# KiCad board ZX-Spectrum-Pentagon.kicad_pcb (continued)
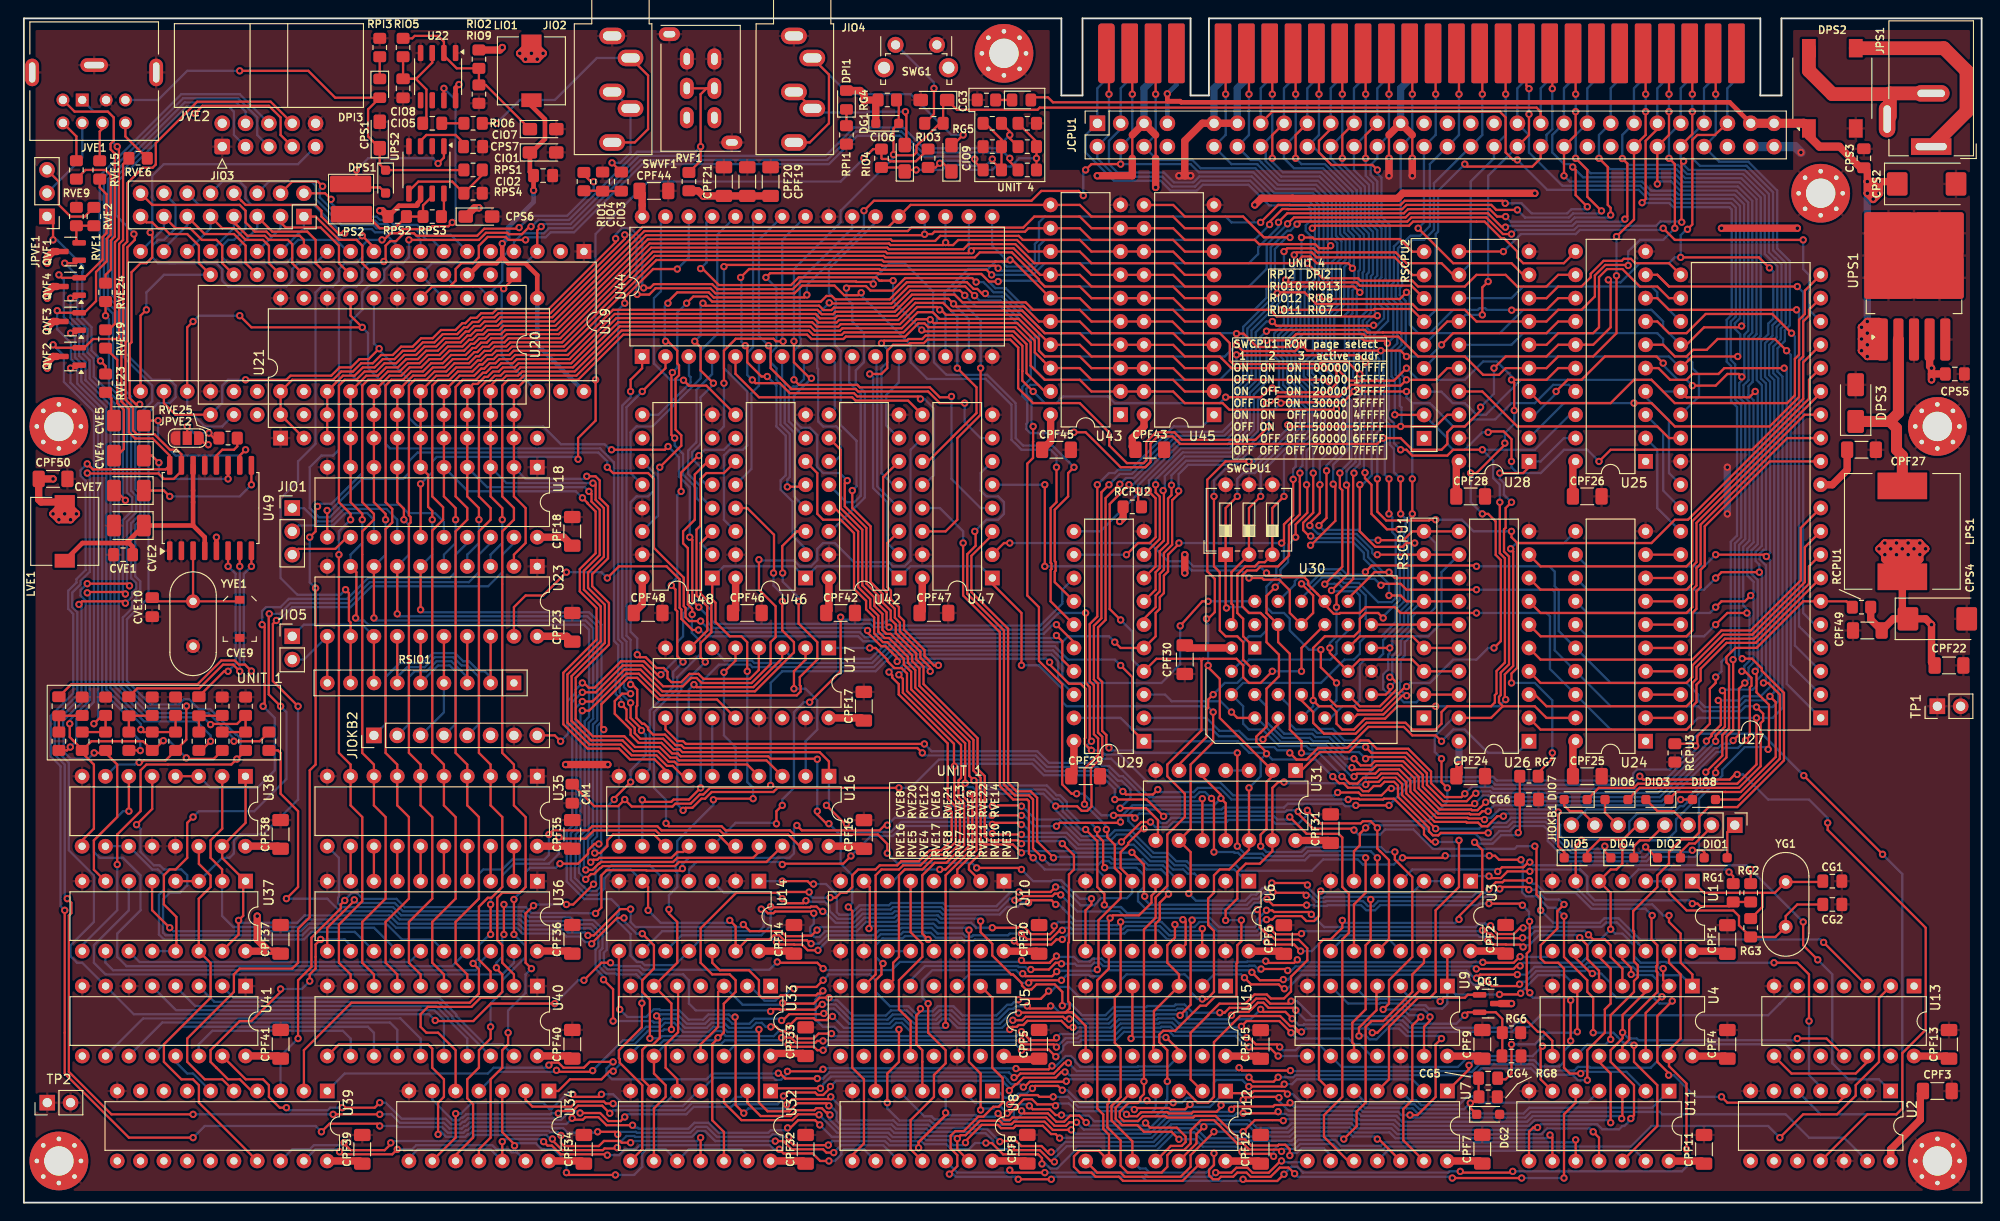
[diagram p0: board, top side]
## Routing (per net, layer and track width the routed paths; a pad name or vN(x,y) marks a point on that pad's centre or on a via; arc(x,y) is an arc through that point) (continued)
/InputOutput/TapeOut: length 11.4
  Top w0.25: v1(64.02,113.26) CIO3.2
  Bottom w0.25: v1(64.02,113.26) 64.9,113.26 66.03,114.4 66.03,119.18 64.24,120.98 JIO2.RN
/InputOutput/TYPEOUTTTL: length 80.4
  Top w0.25: 60.71,112.22 61.72,111.21 v1(62.02,111.21) ; v1(39.18,102.52) 39.37,102.71 39.37,104.23 39.87,104.73 40.51,104.73 41.37,105.59 42.45,105.59 42.73,105.32 49.34,105.32 50.12,106.09 53.78,106.09 v1(53.9,106.21)
  Bottom w0.25: v1(53.9,106.21) 55.18,107.49 59.13,107.49 62.02,110.38 v1(62.02,111.21) ; U18.16 45.72,74.15 44.75,75.11 41.82,75.11 40.92,76.01 34.65,76.01 33.28,74.65 32.12,74.65 31.12,75.66 31.12,80.1 32.38,81.38 33.66,81.38 34.29,82.01 34.29,99.16 34.92,99.79 36.2,99.79 36.83,100.42 36.83,101.69 37.46,102.33 38.99,102.33 v1(39.18,102.52)
/MD0: length 159.8
  Top w0.25: U45.2 126.37,88.35 125.09,89.63 116.21,89.63 114.93,90.91 111.75,90.91 ; 111.75,90.9 110.94,91.72 110.93,91.72 110.04,92.62 110.04,93.88 108.11,95.81 99.02,95.81 v1(98.65,96.18) 98.6,96.23 97.17,96.23 95.73,94.79 89.28,94.79 89.02,94.52 85.91,94.52 85.44,95 65.06,95 60.14,90.08 54.41,90.08 53.96,89.63 52.71,89.63 52.07,88.99 52.07,76.93 53.34,75.66 53.34,74.39 52.07,73.12 52.07,48.99 53.34,47.72 U35.2 53.34,43.27 54.61,42 54.61,34.38 53.98,33.75 52.07,33.75 51.52,33.2 51.52,28.58 52.07,28.03 52.07,26.13 53.34,24.86 53.34,23.59 U40.2
  Bottom w0.25: v1(98.65,96.18) 98.45,95.99 98.45,92.9 97.81,92.25
/MD1: length 161.3
  Top w0.25: 111.76,93.44 114.94,93.44 116.21,92.17 125.09,92.17 126.37,90.9 129.54,90.9 ; U40.3 50.8,23.59 50.8,25.18 49.53,26.45 49.53,32.24 50.5,33.2 50.89,33.2 52.07,34.38 52.07,42 50.8,43.27 U35.3 50.8,47.72 49.53,48.99 49.53,73.12 50.8,74.39 50.8,75.66 49.53,76.93 49.53,88.69 50.33,89.49 50.66,89.49 51.25,90.08 51.88,90.08 52.33,90.53 53.59,90.53 54.04,90.98 59.77,90.98 64.69,95.9 85.81,95.9 86.29,95.42 88.65,95.42 88.91,95.69 95.36,95.69 97.23,97.56 99.39,97.56 v1(99.69,97.25) 99.82,97.25 100.36,96.71 108.49,96.71 111.75,93.44
  Bottom w0.25: 100.31,92.16 100.31,96.76 99.82,97.25 v1(99.69,97.25)
/MD2: length 164.4
  Top w0.25: U40.4 48.26,24.85 46.99,26.13 46.99,30.57 49.53,33.11 49.53,42 48.26,43.27 U35.4 48.26,47.72 46.99,48.99 46.99,73.12 48.26,74.39 48.26,75.66 46.99,76.93 46.99,88.85 47.77,89.63 49.2,89.63 49.96,90.39 50.29,90.39 50.88,90.98 51.51,90.98 51.96,91.43 53.22,91.43 53.67,91.88 59.39,91.88 64.31,96.8 86.18,96.8 86.66,96.32 88.27,96.32 88.54,96.59 94.99,96.59 96.85,98.46 100.64,98.46 v1(101.19,97.9) 101.48,97.61 108.86,97.61 110.49,95.98 111.75,95.98 ; 129.54,93.44 126.37,93.44 125.09,94.71 116.21,94.71 114.94,95.98 111.76,95.98
  Bottom w0.25: U44.15 102.85,96.24 v1(101.19,97.9)
/MD3: length 168.4
  Top w0.25: 129.54,95.98 126.36,95.98 125.09,97.25 116.21,97.25 114.94,98.52 111.77,98.52 ; U40.5 45.73,24.85 44.45,26.13 44.45,30.57 46.99,33.11 46.99,42 45.72,43.27 U35.5 45.72,47.72 44.45,48.99 44.45,73.21 45.63,74.39 45.63,75.75 44.45,76.93 44.45,88.99 45.09,89.63 46.34,89.63 47.24,90.53 48.82,90.53 49.59,91.29 49.92,91.29 50.5,91.88 51.14,91.88 51.59,92.33 52.85,92.33 53.32,92.8 58.96,92.8 68.84,102.68 93.42,102.68 93.59,102.51 105.74,102.51 105.74,102.51 107.17,102.51 v1(107.34,102.68) 107.59,102.68 111.75,98.52
  Bottom w0.25: v1(107.34,102.68) 106.96,102.68 105.4,104.25 U44.17
/MD4: length 168.2
  Top w0.25: 43.18,23.59 43.18,24.86 41.91,26.13 41.91,30.57 44.45,33.11 44.45,42 43.18,43.27 U35.6 43.18,47.72 41.91,48.99 41.91,73.91 42.09,74.09 42.09,74.69 41.91,74.87 41.91,88.99 42.55,89.64 43.81,89.64 44.7,90.53 45.97,90.53 46.87,91.43 48.45,91.43 49.22,92.19 49.55,92.19 50.13,92.78 50.76,92.78 51.24,93.25 52.5,93.25 52.95,93.7 58.59,93.7 68.47,103.58 93.79,103.58 93.96,103.41 102.85,103.41 v1(103.12,103.68) 103.4,103.96 107.73,103.96 110.63,101.06 111.75,101.06 ; 129.53,98.52 126.36,98.52 125.09,99.79 116.21,99.79 114.94,101.06 111.76,101.06
  Bottom w0.25: U44.18 102.85,103.95 v1(103.12,103.68)
/MD5: length 170.2
  Top w0.25: 129.54,101.06 126.37,101.06 125.09,102.33 116.21,102.33 114.94,103.6 111.76,103.6 111.75,103.6 ; U40.7 40.65,24.85 39.37,26.13 39.37,30.57 41.91,33.11 41.91,42 40.64,43.27 U35.7 40.64,47.72 39.37,48.99 39.37,73.36 40.09,74.09 40.09,75.57 39.37,76.29 39.37,89 40,89.63 41.27,89.63 42.18,90.54 43.44,90.54 44.33,91.43 45.6,91.43 46.5,92.33 48.08,92.33 48.84,93.09 49.17,93.09 49.76,93.68 50.39,93.68 50.87,94.16 52.12,94.16 52.57,94.6 58.22,94.6 68.09,104.48 94.16,104.48 94.34,104.31 100.06,104.31 v1(100.33,104.58) 100.6,104.31 101.14,104.31 101.69,104.86 108.1,104.86 109.36,103.6 111.75,103.6 111.75,103.6
  Bottom w0.25: 100.31,107.41 100.31,104.6 v1(100.33,104.58)
/MD6: length 172
  Top w0.25: U40.8 38.1,24.85 36.83,26.13 36.83,30.57 39.37,33.11 39.37,42 38.1,43.27 U35.8 38.1,47.72 36.83,48.99 36.83,73.12 38.1,74.39 38.1,75.03 36.83,76.3 36.83,88.99 37.46,89.63 38.72,89.63 39.62,90.53 40.9,90.53 41.81,91.44 43.06,91.44 43.96,92.33 45.23,92.33 46.15,93.25 47.73,93.25 48.47,93.99 48.8,93.99 49.38,94.58 50.02,94.58 50.49,95.05 51.75,95.05 52.2,95.5 57.85,95.5 67.72,105.38 97.94,105.38 v1(98.04,105.48) 98.07,105.5 98.86,105.5 99.12,105.76 108.96,105.76 109.35,106.14 114.94,106.14 116.21,104.87 125.09,104.87 126.37,103.59 129.54,103.59
  Bottom w0.25: v1(98.04,105.48) 98.04,107.14 U44.20
/MD7: length 173.5
  Top w0.25: 129.54,106.14 126.37,106.14 125.09,107.41 116.21,107.41 114.94,108.68 96.52,108.68 95.24,107.41 95.24,107.41 94.11,106.28 67.35,106.28 57.51,96.44 51.86,96.44 51.4,95.98 50.15,95.98 49.65,95.48 49.01,95.48 48.43,94.89 48.1,94.89 47.36,94.16 45.78,94.16 44.88,93.25 43.61,93.25 42.69,92.34 41.43,92.34 40.53,91.43 39.25,91.43 38.35,90.53 37.08,90.53 36.18,89.63 34.92,89.63 34.29,88.99 34.29,76.29 35.56,75.02 v1(35.56,74.39) ; U40.9 35.56,24.85 34.29,26.13 34.29,30.28 36.83,32.82 36.83,42 35.56,43.27 U35.9 35.56,47.72 34.29,48.99 v1(34.29,70.58)
  Bottom w0.25: v1(34.29,70.58) 34.29,73.12 v1(35.56,74.39)
/Memory/MA0: length 10
  Bottom w0.25: U42.7 93.86,84.67 93.86,87.97 95.24,89.35 95.24,92.16
/Memory/MA1: length 17.6
  Bottom w0.25: 92.69,92.16 92.8,92.06 92.8,90.18 92.89,90.09 92.89,78.02 U42.4
/Memory/MA2: length 20.4
  Bottom w0.25: U44.10 89.83,91.84 89.83,89.33 91.09,88.08 91.09,76.99 90.39,76.29 89.53,76.29 U42.12
/Memory/MA3: length 6.9
  Bottom w0.25: U42.9 88.26,86.45 88.26,91.51 87.63,92.15
/Memory/MA4: length 10.6
  Bottom w0.25: U46.7 83.26,85.1 83.26,88.44 83.73,88.91 84.12,88.91 84.91,89.7 84.91,92 U44.8
/Memory/MA5: length 17.5
  Bottom w0.25: 83.82,76.92 85.09,75.66 ; 82.53,92.16 82.53,89.65 82.81,89.37 82.81,84.92 83.82,83.91 83.82,78.85 83.82,76.93
/Memory/MA6: length 15
  Bottom w0.25: U44.6 80.01,92.15 80.01,88.99 79.19,88.17 79.19,79.92 77.46,78.19
/Memory/MA7: length 24.1
  Top w0.25: U47.9 96.25,87.36 90.53,87.36 90.17,87.72 80.01,87.72 77.46,90.28 77.46,92.16
/Memory/MA8: length 48.7
  Top w0.25: v1(97.59,87.54) 97.31,87.81 90.71,87.81 90.35,88.17 83.37,88.17 82.28,89.26 79.63,89.26 v1(79.29,89.61)
  Bottom w0.25: U44.27 79.38,106.78 79.38,93.18 78.74,92.55 78.74,90.16 v1(79.29,89.61) ; 97.79,77.97 99.06,79.24 99.06,86.51 98.03,87.54 v1(97.59,87.54)
/Memory/MA9: length 46.6
  Top w0.25: v1(81.06,93.35) 81.28,93.13 81.28,90.9 83.56,88.62 90.54,88.62 90.8,88.36 98.43,88.36 99.69,87.09 v1(102.4,87.09)
  Bottom w0.25: v1(102.4,87.09) 102.4,85.02 104.14,83.28 U47.7 ; 82.53,107.41 80.01,104.88 80.01,94.4 v1(81.06,93.35)
/Memory/MA10: length 53.2
  Top w0.25: v1(83.82,89.63) 84.38,89.07 90.72,89.07 90.99,88.81 98.61,88.81 99.7,87.72 100.88,87.72 v1(100.97,87.81)
  Bottom w0.25: U44.23 90.16,106.12 84.46,100.42 84.46,94.22 84.54,94.13 84.54,93.53 83.82,92.8 v1(83.82,89.63) ; v1(100.97,87.81) 100.97,78.83 104.14,75.66 U47.4
/Memory/MA11: length 31.8
  Top w0.25: v1(82.64,93.83) 81.87,93.83 81.6,94.1 77.47,94.1 77.47,94.07 76.2,92.8 v1(76.2,89.27)
  Bottom w0.25: U48.7 76.2,84.55 v1(76.2,89.27) ; U44.25 82.55,104.88 82.55,93.91 v1(82.64,93.83)
/Memory/MA12: length 18.7
  Bottom w0.25: U44.4 74.91,90.25 73.21,88.54 73.21,82.83 72.3,81.92 72.3,79.37 73.66,78.02 73.66,76.93 U48.4
/Memory/MA13: length 35.5
  Bottom w0.25: 77.46,107.41 75.47,105.42 75.47,94.62 73.66,92.8 73.66,89.78 68.43,84.55 66.68,84.55 66.04,83.91 66.04,79.47 U48.12
/Memory/MA14: length 9.6
  Bottom w0.25: U44.3 72.4,92.14 72.4,90.1 72.57,89.93 72.57,89.33 69.06,85.82 U48.9
/Memory/MA15: length 27.7
  Top w0.25: U46.9 74.29,88.99 72.39,88.99 v1(71.8,89.58)
  Bottom w0.25: U44.31 69.34,106.91 69.34,99.28 68.58,98.52 68.58,91.41 70.36,89.63 71.75,89.63 v1(71.8,89.58)
/Memory/MA16: length 108.3
  Top w0.25: U31.8 123.44,39.7 123.44,41.67 122.14,42.97 v1(119.32,42.97) ; v1(97.79,48.99) 97.26,49.52 71.87,49.52 71.56,49.82 70.93,49.82 69.77,50.98 68.49,50.98 67.94,51.53 67.94,51.74 67.52,52.16 67.31,52.16 66.68,52.8 66.68,54.05 66.76,54.14 66.76,55.88 66.21,56.44 v1(66.04,56.44) ; v1(67.31,88.36) 69.38,90.43 69.38,90.43 69.84,90.89 U44.2
  Bottom w0.25: v1(119.32,42.97) 120.45,44.1 120.45,44.98 119.47,45.96 119.09,45.96 117.94,47.11 117.18,47.11 116.84,47.45 111.39,47.45 110.13,48.71 98.06,48.71 v1(97.79,48.99) ; v1(66.04,56.44) 66.04,61.3 65.59,61.75 65.59,86.64 v1(67.31,88.36)
/Memory/MA17: length 119.6
  Top w0.25: v1(66.04,45.81) 64.26,44.03 v1(64.26,43.91) ; v1(62.01,34.69) 59.8,32.48 v1(59.05,32.48) ; v1(65.41,97.97) 65.41,98.61 68.49,101.69 v1(71.12,101.69) ; v1(66.04,54.44) 66.04,52.8 67.22,51.62 v1(67.22,51.44) ; v1(52.71,18.51) 52.71,17.24 52.07,16.6 52.07,14.7 50.8,13.43 50.8,7.08 49.53,5.81 U34.11 ; v1(55.24,25.49) 54.61,26.13 54.61,31.49 v1(55.47,32.35)
  Bottom w0.25: v1(59.05,32.48) 55.6,32.48 v1(55.47,32.35) ; v1(66.04,45.81) 66.04,47.08 67.68,48.72 67.68,50.98 v1(67.22,51.44) ; v1(64.26,43.91) 63.5,43.15 63.5,38.96 62.86,38.32 62.86,37.22 62.23,36.59 62.23,34.91 v1(62.01,34.69) ; U44.30 72.38,102.95 v1(71.12,101.69) ; v1(65.41,97.97) 64.69,97.26 64.69,61.38 65.14,60.93 65.14,57.2 64.87,56.93 64.87,55.59 66.01,54.44 v1(66.04,54.44) ; v1(55.24,25.49) 54.61,24.86 54.61,22.83 52.71,20.93 v1(52.71,18.51)
/Memory/MA18: length 113
  Top w0.25: U44.1 67.29,90.88 66.04,89.63 v1(66.04,88.36) ; v1(89.74,32.2) 90.17,31.77 90.17,14.7 91.44,13.43 91.44,6.44 90.18,5.18 U8.8 ; v1(86.36,48.3) 86.3,48.35 81.28,48.35 81.02,48.62 71.49,48.62 71.19,48.92 70.56,48.92 69.4,50.08 66.91,50.08 66.04,50.95 66.04,51.52 64.32,53.25 64.32,54.63 65.12,55.44 v1(66.04,55.44) ; v1(86.36,42.64) 86.36,42.28 87.36,41.28 v1(87.63,41.28)
  Bottom w0.25: v1(86.36,48.3) v1(86.36,42.64) ; v1(87.63,41.28) 88.9,40.01 88.9,36.92 90.17,35.65 90.17,32.64 v1(89.74,32.2) ; v1(66.04,88.36) 66.04,87.73 65.14,86.83 65.14,61.56 65.59,61.11 65.59,57.02 65.31,56.74 65.31,56.14 66.01,55.44 v1(66.04,55.44)
/MX0: length 41.9
  Top w0.25: v1(66.76,59.69) 67.04,59.41 67.68,59.41 68.86,58.24 69.64,58.24 70.06,57.81 70.06,57.12 70.49,56.7 71.54,56.7 72.45,57.6 73.42,57.6 73.97,57.05 79.02,57.05 80,58.02 U17.4
  Bottom w0.25: U48.11 68.57,79.48 68.57,77.56 67.94,76.93 66.68,76.93 66.04,76.29 66.04,62.18 66.76,61.45 v1(66.76,59.69)
/MX1: length 24.6
  Top w0.25: U17.7 72.5,60.42 74.39,62.31 74.39,64.97 73.22,66.13 73.21,66.13 73.21,73.3 73.66,73.75 73.66,78.83 74.29,79.47 76.2,79.47 U46.11
/MX2: length 67.6
  Top w0.25: v1(128.27,44) 128.28,43.99 U31.10 ; U17.9 69.84,51.55 71.11,50.27 71.75,50.27 72.05,49.97 98.01,49.97 v1(98.02,49.96)
  Bottom w0.25: v1(128.27,44) 128,43.72 122.35,43.72 119.62,46.45 119.24,46.45 118.13,47.56 117.37,47.56 117.03,47.9 111.58,47.9 110.32,49.16 98.82,49.16 v1(98.02,49.96)
/MX3: length 78.8
  Top w0.25: v1(50.8,19.14) 50.8,17.88 49.53,16.6 49.53,14.7 48.26,13.43 48.26,11.36 48.9,10.73 48.9,7.08 46.99,5.17 U34.10 ; v1(58.36,36.92) 60.32,36.92 61.41,38.01 61.41,38.38 62.1,39.07 v1(62.58,39.07) ; v1(63.11,51.53) 62.87,51.78 62.87,54.29 65.74,57.17 66.75,57.17 69.12,54.8 75.46,54.8 U17.12 ; v1(53.34,33.03) v1(53.34,29.22)
  Bottom w0.25: v1(58.36,36.92) 57.91,36.48 55.09,36.48 54.61,36 54.61,34.36 53.34,33.09 v1(53.34,33.03) ; v1(62.58,39.07) 62.84,39.33 62.84,51.26 v1(63.11,51.53) ; v1(53.34,29.22) 54.61,27.95 54.61,26.76 53.34,25.49 53.34,25.49 52.07,24.22 52.07,22.95 50.8,21.68 v1(50.8,19.14)
/PA6: length 69.9
  Top w0.25: v1(50.8,32.48) v1(50.8,29.22) ; v1(48.9,26.06) 49.53,25.42 49.53,22.78 48.53,21.77 35.65,21.77 30.48,16.6 U39.2 ; U16.16 76.84,38.83 75.56,40.1 69.22,40.1 68.77,40.55 62.05,40.55 61.15,39.65 58.41,39.65 v1(58.24,39.83)
  Bottom w0.25: v1(50.8,32.48) 50.8,33.11 52.07,34.38 52.07,35.65 53.34,36.93 57.15,36.93 58.24,38.01 v1(58.24,39.83) ; v1(48.9,26.06) 49.53,26.69 49.53,28.03 50.71,29.22 v1(50.8,29.22)
/PA7: length 82.2
  Top w0.25: U16.19 84.46,38.83 83.19,40.1 76.2,40.1 75.75,40.55 69.4,40.55 68.95,41 61.86,41 61.41,40.55 57.6,40.55 v1(57.15,40.1) ; v1(29.84,17.88) 29.84,24.23 31.3,25.68 31.3,28.86 34.49,32.05 34.49,32.48 v1(34.93,32.91)
  Bottom w0.25: v1(29.84,17.88) 27.94,15.97 U39.3 ; v1(57.15,40.1) 57.15,37.88 56.65,37.38 53.15,37.38 52.07,36.29 50.01,36.29 49.53,35.82 49.53,33.11 48.61,32.19 41.45,32.19 40.55,33.09 36.88,33.09 36.26,33.71 35.66,33.71 34.93,32.97 v1(34.93,32.91)
/PIXEL: length 55.7
  Top w0.25: v1(58.46,7.33) 58.46,6.5 58.79,6.16 62.59,6.16 63.14,6.72 64.89,6.72 65.07,6.53 v1(66.04,6.53) ; U40.11 33.02,15.97 34.29,17.24 43.98,17.24 44.45,16.77 44.45,14.7 45.72,13.43 45.72,11.53 45.09,10.89 v1(45.09,7.43) ; v1(73.66,7.08) U32.11
  Bottom w0.25: v1(73.66,7.08) 73.29,6.71 66.22,6.71 v1(66.04,6.53) ; v1(45.09,7.43) 45.39,7.74 45.96,7.17 48.05,7.17 48.32,7.45 48.51,7.45 48.88,7.82 57.15,7.82 57.31,7.66 58.12,7.66 v1(58.46,7.33)
/PowerSources/PowA: length 22.9
  Top w0.8: 207.65,115.03 JPS1.1
  Top w1.5: 207.65,115.03 211.46,118.84 211.46,123.28 208.99,125.75 DPS2.3
/PowerSources/PowB: length 19.8
  Top w0.8: 203.12,118.33 JPS1.3
  Top w1.2: 203.12,120.83 203.03,120.74
  Top w1.5: 203.03,120.74 196.85,120.74 194.3,123.29 DPS2.4 ; JPS1.2 203.12,120.83 203.12,118.33
/RAS: length 88.9
  Top w0.25: v1(64.13,10.78) 64.12,10.8 63.35,10.8 63.14,11.01 60.13,11.01 59.58,10.46 55.36,10.46 54.61,11.21 U34.2 ; v1(107.99,14.61) 108.08,14.51 111.54,14.51 v1(111.91,14.89) ; v1(124.31,17.99) 124.35,17.99 125.74,16.6 125.74,15.96 ; v1(86.98,14.53) 86.75,14.3 v1(83.11,14.3) ; 120.66,23.58 120.66,18.02 v1(120.51,17.88)
  Bottom w0.25: 125.74,15.97 124.6,14.84 121.25,14.84 121.19,14.78 114.99,14.78 114.42,15.35 114.42,15.53 113.97,15.97 113.41,15.97 113.05,15.61 113.05,15.6 112.34,14.89 v1(111.91,14.89) ; v1(64.13,10.78) 64.4,10.52 71.73,10.52 73.37,12.16 U32.4 75.12,13.61 81.58,13.61 81.82,13.38 82.42,13.38 83.11,14.07 v1(83.11,14.3) ; v1(120.51,17.88) 120.69,18.06 124.24,18.06 v1(124.31,17.99) ; v1(107.99,14.61) 107.96,14.63 87.09,14.63 v1(86.98,14.53)
/SA0: length 187.1
  Top w0.25: U5.6 94.62,24.23 94.62,26.13 95.25,26.77 95.25,35.65 95.88,36.29 97.79,36.29 98.96,37.46 100.23,37.46 101.89,39.12 101.89,43.32 101.28,43.93 v1(101.28,47.54) 101.24,47.58 101.24,49.98 95.68,55.54 95.68,57.06 v1(95.24,57.5) ; 95.24,80.73 93.53,79.02 93.53,66.87 93.93,66.48 93.93,65.55 94.8,64.68 94.8,63.72 95.35,63.17 95.35,62.23 97.58,60 97.58,59.37 98.65,58.29 v1(98.65,57.88) ; v1(138.71,42.6) 138.71,42.36 140.34,40.73 144.63,40.73 v1(144.78,40.58) ; v1(165.1,31.84) 165.1,33.11 164.64,33.57 164.64,38.65 v1(164.47,38.83) ; v1(118.75,43.91) 122.23,43.91 v1(124.06,42.08) ; v1(195.9,28.35) 200.67,23.58
  Bottom w0.25: v1(144.78,40.58) 145.26,40.1 147.62,40.1 148.17,40.65 151.25,40.65 153.36,38.53 162.26,38.53 162.56,38.83 v1(164.47,38.83) ; v1(138.71,42.6) 138.58,42.73 137.49,42.73 137.35,42.58 130.75,42.58 130.53,42.36 124.34,42.36 v1(124.06,42.08) ; v1(165.1,31.84) 166.46,30.48 171.54,30.48 172.02,30.96 173.6,30.96 175.9,28.67 195.58,28.67 v1(195.9,28.35) ; v1(95.24,57.5) 95.52,57.78 95.54,57.78 96.12,58.35 98.18,58.35 v1(98.65,57.88) ; v1(118.75,43.91) 118.75,45.03 117.57,46.21 116.81,46.21 116.47,46.55 111.02,46.55 109.76,47.81 101.56,47.81 v1(101.28,47.54)
/SA1: length 68
  Top w0.25: 91.44,23.59 92.71,24.86 92.71,35.66 93.34,36.29 95.25,36.29 95.7,36.74 97.6,36.74 98.78,37.91 100.04,37.91 101.44,39.31 101.44,43.14 100.56,44.02 100.56,50.03 95.23,55.36 95.23,56.49 94.52,57.2 94.52,57.44 v1(94.17,57.79) ; U42.3 93.98,71.85 93.98,67.06 94.38,66.66 94.38,65.74 95.25,64.86 95.25,63.9 95.8,63.35 95.8,62.41 98.03,60.19 98.03,59.55 99.07,58.51 99.53,58.51 v1(99.54,58.53)
  Bottom w0.25: v1(99.54,58.53) 99.27,58.8 95.93,58.8 95.35,58.23 94.6,58.23 v1(94.17,57.79)
/SA2: length 157.6
  Top w0.25: v1(163.11,32.4) 162.94,32.58 v1(159.47,32.58) ; v1(117.64,36.49) 117.47,36.65 117.47,39.38 116.83,40.03 v1(116.83,40.65) ; 101.6,35.01 101.6,36.29 103.69,38.38 103.69,45.7 v1(103.42,45.98) 102.91,46.49 102.91,50.22 97.03,56.1 97.03,58.01 96.23,58.81 96.23,59.44 94.88,60.79 94.88,60.79 94.16,61.5 93.69,61.5 93,62.19 93,63.93 92.13,64.81 92.13,65.73 90.81,67.05 90.81,73.11 88.26,75.66 U42.13 ; v1(163.89,30.64) 163.91,30.61 163.91,27.45 163.59,27.13 163.59,23.2 v1(163.92,22.86) ; v1(168.36,22.05) v1(168.36,17.62) ; v1(139.63,32.41) 135.96,32.41 v1(135.3,33.07) ; v1(157.3,14.96) 157.3,14.52 U7.1
  Bottom w0.25: v1(163.89,30.64) 163.84,30.69 163.84,31.68 v1(163.11,32.4) ; v1(103.42,45.98) 104.1,45.98 104.63,45.44 111.34,45.44 112.41,44.37 112.8,44.37 113.53,43.64 113.53,42.82 114.97,41.37 116.1,41.37 v1(116.83,40.65) ; v1(163.92,22.86) 163.92,22.66 164.26,22.32 168.09,22.32 v1(168.36,22.05) ; v1(135.3,33.07) 134.91,33.07 134.5,32.66 133.96,32.66 133.3,32 122.11,32 121.28,32.83 121.28,33.74 121.92,34.38 121.92,35.65 121.1,36.47 118.56,36.47 118.55,36.49 v1(117.64,36.49) ; v1(168.36,17.62) 168.36,17.25 167.64,16.53 167.64,15.33 167.14,14.83 165.09,14.83 164.4,15.52 157.86,15.52 v1(157.3,14.96) ; v1(159.47,32.58) 158.46,32.58 158.28,32.4 147.63,32.4 147.08,31.85 146.11,31.85 145.56,32.4 141.92,32.4 141.84,32.32 140.49,32.32 140.4,32.41 v1(139.63,32.41)
/SA3: length 159
  Top w0.25: 104.14,39.46 104.59,39.01 107.65,39.01 108.29,38.38 108.31,38.38 v1(108.58,38.1) ; 104.14,39.46 104.14,46.28 103.36,47.06 103.36,50.41 97.48,56.29 97.48,58.2 96.68,58.99 96.68,59.63 95.07,61.24 95.06,61.24 94.35,61.95 93.88,61.95 93.45,62.38 93.45,64.12 92.58,64.99 92.58,65.92 91.26,67.23 91.26,73.3 88.9,75.66 88.9,82.01 U42.10 ; 104.14,39.46 104.14,38.07 102.87,36.8 102.87,36.28 104.14,35.01 ; v1(135.95,33.83) 136.03,33.75 139.31,33.75 v1(139.58,33.48) ; v1(169.46,14.06) 168.28,14.06 167.64,14.7 167.64,25.49 167,26.13 165.57,26.13 165.1,26.6 165.1,28.03 166.92,29.85 166.92,31.75 v1(167.64,32.48) ; v1(122,33.37) 121.92,33.46 121.92,36.84 v1(120.61,38.15) ; v1(160.65,34.17) 160.86,34.38 163.52,34.38 v1(163.82,34.09)
  Bottom w0.25: v1(163.82,34.09) 164.59,34.09 165.65,33.03 167.09,33.03 v1(167.64,32.48) ; v1(169.46,14.06) 169.73,14.34 170.21,14.34 170.3,14.25 174.44,14.25 U11.2 ; v1(160.65,34.17) 159.77,33.3 158.3,33.3 157.85,32.85 147.45,32.85 146.9,32.3 146.29,32.3 145.74,32.85 141.73,32.85 141.65,32.77 140.68,32.77 139.97,33.48 v1(139.58,33.48) ; v1(108.58,38.1) 108.77,38.29 114.21,38.29 114.37,38.12 120.58,38.12 v1(120.61,38.15) ; v1(122,33.37) 122,33.03 122.59,32.45 133.11,32.45 133.77,33.11 134.32,33.11 135.03,33.83 v1(135.95,33.83)
/SA4: length 136.9
  Top w0.25: v1(134.26,31.93) 134.53,31.66 134.53,30 135.39,29.14 135.72,29.14 136.21,28.64 138.76,28.64 139.7,27.7 139.7,26.39 137.93,24.62 137.93,23 137.16,22.24 135.73,22.24 135.29,22.67 133.95,22.67 132.95,21.67 130.14,21.67 128.91,20.44 128.91,20.41 127,18.51 127,13.42 U12.2 ; v1(99.69,36.29) 100.33,36.29 102.79,38.75 102.79,43.7 102.24,44.24 102.24,44.85 102.24,44.85 102.24,45.47 v1(102.46,45.69) 102.46,50.04 96.58,55.92 96.58,57.82 95.78,58.62 95.78,59.25 94.69,60.34 94.69,60.34 93.98,61.05 93.5,61.05 92.55,62.01 92.55,63.75 91.68,64.62 91.68,65.55 90.36,66.86 90.36,72.93 88.9,74.39 87,74.39 86.36,75.02 86.36,79.47 U46.6 ; v1(115.57,40.65) 116.84,39.38 116.84,34.38 117.61,33.62 v1(117.61,32.44)
  Bottom w0.25: v1(99.69,36.29) 95.88,36.29 94.6,35.01 93.98,35.01 ; v1(102.46,45.69) 102.46,45.59 102.78,45.27 103.27,45.27 103.54,44.99 111.15,44.99 112.23,43.92 112.62,43.92 113.08,43.46 113.08,42.63 115.06,40.65 v1(115.57,40.65) ; v1(117.61,32.44) 117.84,32.2 119.42,32.2 120.07,31.55 133.88,31.55 v1(134.26,31.93)
/SA5: length 79.6
  Top w0.25: v1(82.59,68.59) 82.55,68.63 82.55,71.52 84.15,73.12 U46.3 ; v1(60.79,53.59) 61.53,53.59 65.55,57.61 66.94,57.61 69.3,55.25 84.12,55.25 84.54,55.67 84.54,56.28 84.46,56.37 84.46,57.24 86.36,59.15 86.36,61.05 84.33,63.09 v1(84.33,65.5)
  Bottom w0.25: v1(84.33,65.5) 84.33,65.92 82.59,67.65 v1(82.59,68.59) ; v1(60.79,53.59) 60.59,53.39 60.59,40.65 60.06,40.12 60.06,36.81 59.98,36.73 59.98,35.37 61.38,33.97 62.31,33.97 62.73,34.39 62.73,35.52 63.95,36.74 68.13,36.74 69.85,35.02
/SA6: length 200.1
  Top w0.25: v1(158.76,29.68) 159.01,29.68 159.39,29.3 159.71,29.3 160.21,28.8 163.09,28.8 v1(163.13,28.85) ; v1(135.65,29.91) 135.68,29.94 135.89,29.94 135.92,29.91 135.92,29.57 136.26,29.23 139,29.23 v1(139.06,29.3) ; v1(113.03,29.67) 112.76,29.67 111.76,28.67 109.22,28.67 v1(108.59,29.3) ; v1(67.94,31.84) 67.94,34.39 67.31,35.02 ; v1(170.31,29.18) 170.31,29.18 170.81,28.67 172.09,28.67 172.72,28.03 172.72,26.76 174,25.49 174,23.58 ; v1(85.68,28.21) 85.6,28.21 85.24,28.57 82.76,28.57 82.22,29.12 81.61,29.12 81.19,28.7 81.19,28.67 78.75,28.67 77.47,27.4 77.47,30.1 v1(76.84,30.74) ; U46.13 78.74,75.66 81.65,72.75 81.65,68.64 v1(81.59,68.59) ; v1(82.55,65.5) 82.55,62.32 83.82,61.05 83.82,59.94 79.58,55.7 69.49,55.7 67.12,58.06 65.37,58.06 61.89,54.59 v1(60.79,54.59)
  Bottom w0.25: v1(139.06,29.3) 139.33,29.57 158.38,29.57 158.49,29.68 v1(158.76,29.68) ; v1(82.55,65.5) 82.55,66.26 81.59,67.22 v1(81.59,68.59) ; v1(163.13,28.85) 163.77,28.85 164.5,29.58 169.9,29.58 v1(170.31,29.18) ; v1(135.65,29.91) 135.13,29.91 134.34,29.12 124.65,29.12 123.64,30.12 119.96,30.12 119.6,29.77 114.1,29.77 113.93,29.94 113.3,29.94 v1(113.03,29.67) ; v1(108.59,29.3) 107.31,29.3 107.13,29.12 103.33,29.12 103.17,28.96 102.57,28.96 102.23,29.3 99.45,29.3 98.82,29.94 95.54,29.94 95.28,29.68 93.08,29.68 92.53,29.13 91.69,29.13 91.67,29.12 87.43,29.12 86.52,28.21 v1(85.68,28.21) ; v1(60.79,54.59) 60.52,54.31 60.49,54.31 60.07,53.89 60.07,52.42 60.14,52.35 60.14,40.83 59.53,40.23 59.53,35.18 61.19,33.52 62.49,33.52 63.18,34.2 63.18,35.34 64.13,36.29 66.04,36.29 67.31,35.02 ; v1(76.84,30.74) 76.56,30.47 69.32,30.47 v1(67.94,31.84)
/SA7: length 221
  Top w0.25: v1(169.36,28.86) 170.18,28.03 170.18,26.53 171.46,25.26 171.46,23.58 ; v1(81.91,28.4) 82.19,28.12 83.84,28.12 83.86,28.1 84.71,28.1 85.32,27.49 v1(86.43,27.49) ; v1(159.35,28.58) 159.47,28.58 159.93,28.12 161.3,28.12 161.32,28.1 162.87,28.1 163.13,27.85 v1(163.19,27.85) ; v1(107.8,28.51) 108.19,28.11 111.84,28.11 112.4,28.67 v1(113.03,28.67) ; v1(80.01,70.03) 80.01,66.77 81.82,64.95 81.82,61.6 81.28,61.05 81.28,58.67 79.21,56.6 73.79,56.6 73.24,57.15 72.64,57.15 71.73,56.25 69.58,56.25 67.31,58.51 65.18,58.51 62.25,55.59 v1(60.79,55.59) ; v1(138.98,27.4) 138.26,28.11 135.53,28.11 v1(135.25,28.39)
  Bottom w0.25: v1(81.91,28.4) 81.64,28.67 73.66,28.67 73.66,28.66 70.87,25.88 67.57,25.88 67.23,26.21 66.72,26.21 66.04,26.89 66.04,29.26 64.59,30.71 64.59,31.31 64.77,31.49 64.77,32.23 63.93,33.07 61.01,33.07 59.08,34.99 59.08,40.41 59.69,41.02 59.69,52.16 59.62,52.24 59.62,54.44 60.49,55.31 60.52,55.31 v1(60.79,55.59) ; U47.10 96.52,82.01 96.52,69.94 96.5,69.94 95.87,69.31 94.61,69.31 94.16,69.76 90.35,69.76 88.26,71.85 87,71.85 86.36,71.21 86.36,69.99 85.68,69.31 84.46,69.31 83.82,69.94 80.1,69.94 v1(80.01,70.03) ; v1(86.43,27.49) 87.61,28.67 92.71,28.67 93.27,29.23 95.46,29.23 95.72,29.49 98.03,29.49 98.12,29.39 98.73,29.39 99.27,28.85 102.04,28.85 102.38,28.51 103.36,28.51 103.51,28.67 107.64,28.67 v1(107.8,28.51) ; v1(138.98,27.4) 140.17,27.4 141.44,28.67 142.87,28.67 143.32,29.12 158.3,29.12 158.46,28.96 158.98,28.96 v1(159.35,28.58) ; v1(163.19,27.85) 163.37,28.03 163.83,28.03 164.93,29.13 169.08,29.13 v1(169.36,28.86) ; v1(113.03,28.67) 113.3,28.94 113.33,28.94 113.71,29.32 119.79,29.32 120.14,29.67 123.45,29.67 124.46,28.67 134.97,28.67 v1(135.25,28.39)
/SA8: length 54.4
  Top w0.25: v1(102.24,71.85) 102.24,66.13 106.23,62.14 106.23,45.36 107.68,43.91 109.22,43.91 109.4,43.73 109.4,38.02 v1(109.86,37.56)
  Bottom w0.25: U47.13 99.69,75.66 102.24,73.12 v1(102.24,71.85) ; 118.09,35.01 116.81,36.29 111.12,36.29 110.16,37.25 110.16,37.26 v1(109.86,37.56)
/SA9: length 75.8
  Top w0.25: 123.18,27.39 123.18,30.38 123.64,30.84 123.64,32.67 v1(124.59,33.62) ; v1(103.5,73.12) 103.59,73.03 103.59,71.55 102.69,70.64 102.69,66.32 106.68,62.33 106.68,45.55 107.87,44.36 109.4,44.36 109.85,43.92 109.85,38.6 110.88,37.57 v1(110.88,37.56)
  Bottom w0.25: v1(103.5,73.12) 104.78,74.39 106.04,74.39 106.68,75.02 106.68,76.29 106.04,76.93 104.78,76.93 104.14,77.56 104.14,77.56 104.14,79.47 U47.6 ; v1(110.88,37.56) 111.6,36.83 116.97,36.83 117.34,37.21 118.08,37.21 118.35,36.94 118.74,36.94 118.75,36.92 121.59,36.92 122.22,36.29 123.8,36.29 124.46,35.63 124.46,33.75 v1(124.59,33.62)
/SA10: length 55.7
  Top w0.25: v1(112.06,37.56) 112.06,37.59 110.3,39.35 110.3,44.1 109.59,44.81 108.06,44.81 107.13,45.74 107.13,62.51 103.13,66.51 103.13,70.45 105.41,72.73 105.41,72.9
  Bottom w0.25: 125.72,35.01 123.99,36.74 122.41,36.74 121.77,37.38 118.93,37.38 118.92,37.39 118.54,37.39 118.26,37.66 112.17,37.66 v1(112.06,37.56)